# Altium PCB PCB1.PcbDoc (part 2 of 2)
Units mil, origin at the board's own origin, x right, y up, seen from the top; angles counter-clockwise.
Board outline 2465 x 3050 mil, 4 copper layers (Top Layer, Layer 1, Layer 2, Bottom Layer), stack 23.756 mil thick; 167 components, 107 nets, 662 pads, 122 vias.
Unrouted connection lines stored in the file: 6.
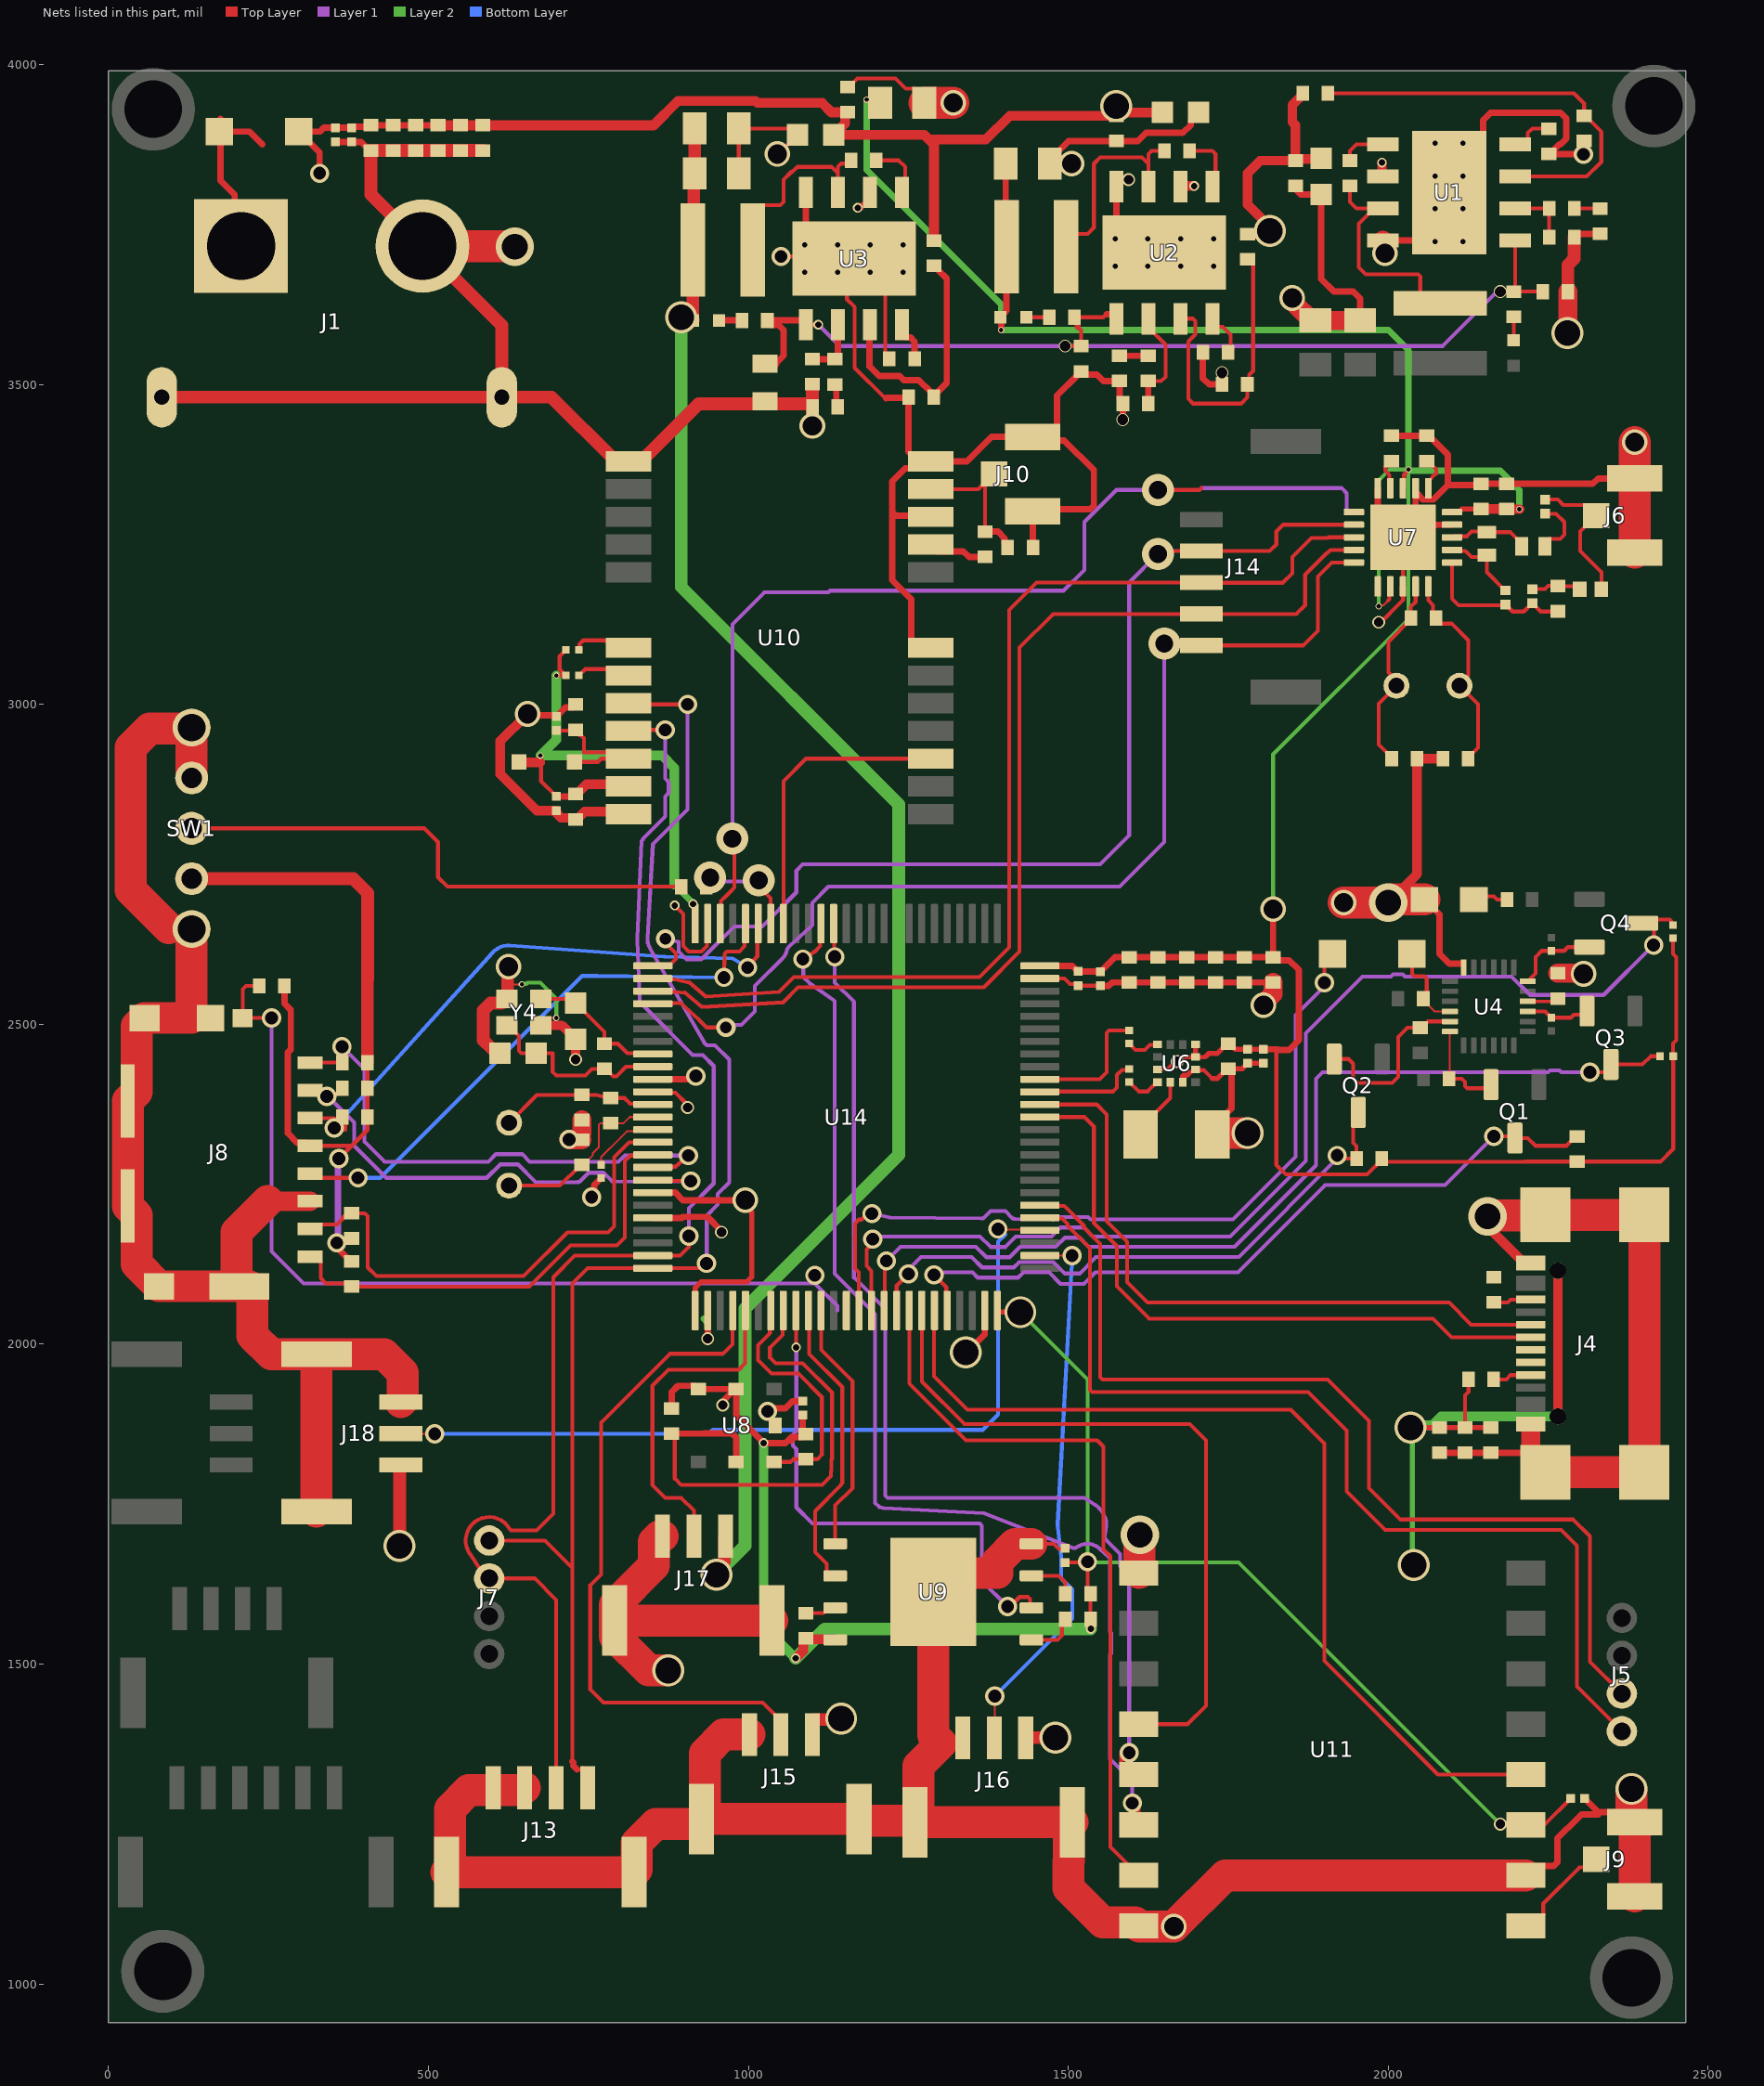
[diagram p4: the nets of this part, all layers, seen from the top]

## Via types
v1: diameter 30, hole 20, Top Layer to Bottom Layer, 43 vias
v2: diameter 40, hole 30, Top Layer to Bottom Layer, 15 vias
v3: diameter 50, hole 40, Top Layer to Bottom Layer, 15 vias
v4: diameter 10, hole 7, Top Layer to Bottom Layer, 13 vias
v5: diameter 15, hole 10, Top Layer to Bottom Layer, 10 vias
v6: diameter 20, hole 15, Top Layer to Bottom Layer, 9 vias
v7: diameter 50, hole 28, Top Layer to Bottom Layer, 6 vias
v8: diameter 60, hole 40, Top Layer to Bottom Layer, 4 vias
v9: diameter 20, hole 17, Top Layer to Bottom Layer, 4 vias
v10: diameter 30, hole 18, Top Layer to Bottom Layer, 2 vias
v11: diameter 40, hole 35, Top Layer to Bottom Layer, 1 vias

## Nets (pads, with @x,y where several pads share a name; then routed paths per layer and width w, separated by ;. In a path a pad name is that pad's centre, name@x,y a point inside that pad or via, vN(x,y) a via of type N, cw(c..) or ccw(c..) an arc to the next point about the centre after c; other vN are vias at no path point) (continued)
+3V3: C8.1 C10.1 C11.1 C15.1 C17.1 C18.1 C19.1 C20.1 C34.1 C36.1 C52.1 C53.1 C54.1 C55.1 C56.1 C57.1 C58.1 C59.1 C64.1 C65.1 D4.1 J8.P4 L2.1 R4.1 R5.1 R6.1 R9.1 R14.1 R15.1 R17.2 R18.1 R19.1 R21.2 R45.1 R46.1 R47.1 R48.1 R49.1 R50.1 R52.1 R53.1 SW1.3 U6.3 U6.9 U6.10 U7.7 U7.15 U7.18 U8.2 U8.3 U9.8 U10.23 U11.3 U14.11 U14.21 U14.27 U14.50 U14.75 U14.100 | length 10309.6
  Top Layer w3: v4(1985,3153.28) 1986.34,3154.62 1992.27,3154.62 1999.46,3161.81
  Top Layer w6: J8.P4@315,2310.08 380.08,2310.08 ; v1(360,2290) 380.08,2310.08 ; R49.1@404.68,2440 R50.1@404.68,2400 R45.1@404.68,2355 404.68,2334.68 380.08,2310.08 ; v4(675,2920) 675.77,2919.23 675.77,2909.23 676,2909 676,2880.02 C19.1@700,2856.02 700.16,2855.87 710,2855.87 ; v4(700,3045) R53.1@714.76,3045 705,3054.76 705,3075.24 R52.1@714.76,3085 ; U14.11@850.64,2394.37 851.81,2393.2 885.92,2393.2 902.32,2376.8 902.32,2372.68 v6(905,2370) ; C17.1@1495,1658.98 1497.25,1656.72 1497.25,1657.34 1498.89,1658.98 1526.71,1658.98 1530,1655.68 1530,1614.68 R18.1@1534.68,1610 R17.2@1534.69,1570 1535,1569.69 v5(1535,1555) ; U6.3@1639.47,2429.16 1640.25,2429.94 1655.1,2429.94 1667.01,2441.85 v6(1670.06,2441.85) ; v6@1670.06,2441.68 1673.68,2441.68 1680.64,2448.64 1713.64,2448.64 1715,2450 ; 1826.89,2460.87 1825,2458.98 1825,2280 1839.81,2265.19 1966.84,2265.19 1989.68,2288.03 R5.1@1989.68,2290 1994.63,2285.06 2213.47,2285.06 2213.73,2285.32 R4.1@2295,2285.32 2425.32,2285.32 2445.24,2305.24 R6.1@2445.24,2450 2445,2450.24 2445,2470 2450,2475 2450,2605 2445,2610 R9.1@2445,2634.76 ; 1999.46,3161.81 2001.75,3164.1 2001.75,3182.66 U7.7@2003.32,3184.23 ; U7.18@2023,3337.77 2024.57,3339.34 2024.57,3359.01 2031.38,3365.82 v4(2031.38,3366.9) ; v6(2175,1250) 2213.63,1250 U11.3@2214.89,1248.74 ; U11.3@2214.89,1250 2245,1250 C18.1@2285,1290 ; R52.1@714.76,3085 715,3085 R52.1@714.76,3085
  Top Layer w8: U14.50@1389.22,2052.64 1389.22,2051.51 1390.73,2050 v3(1425,2050) ; U6.9@1698.75,2449.06 U6.10@1698.75,2465 ; 1715,2450 1719.16,2454.16 1732.5,2454.16 1748.03,2469.68 C10.1@1750,2469.68 1751.97,2469.68 1760.63,2461.02 C11.1@1780,2461.02 C8.1@1805,2461.02 ; U7.15@2099.77,3300.37 2110.6,3300.37 2115.54,3305.31 C64.1@2145,3305.31
  Top Layer w10: R46.1@275,2560 275,2532.43 285,2522.43 285,2460.74 280.31,2456.06 280.31,2329.69 295.08,2314.92 310.16,2314.92 J8.P4@315,2310.08 ; v1@356.72,2155 v1@358.47,2156.75 ; v1(356.72,2158.5) v1@358.47,2156.75 ; R48.1@375,2134.68 373.03,2134.68 360.55,2147.17 360.55,2154.68 v1@358.47,2156.75 ; R47.1@375,2165.32 371.59,2161.91 363.63,2161.91 v1@358.47,2156.75 ; 710,2855.87 726.18,2855.87 C20.1@730,2859.68 ; U14.21@850.64,2197.52 896.35,2197.52 897.88,2199.06 935.94,2199.06 958,2177 v6(958,2175) ; R15.1@880,1899.68 880,1925 890,1935 917,1935 U8.3@922,1930 U8.2@979,1930 ; v5(913.5,2687.98) 914.45,2687.02 914.45,2684.89 916.27,2683.07 916.27,2657.87 U14.100@916.78,2657.36 ; v6(936.46,2008.64) U14.27@936.46,2052.64 ; v6(960,1905) 961.91,1906.91 961.91,1912.91 U8.2@979,1930 ; v5(1023.76,1845.56) 1023.76,1846.24 981,1889 U8.2@981,1930 U8.2@979,1930 ; v5@1024,1846 1024.44,1845.56 1057.77,1845.56 1062.21,1850 ; R14.1@1085,1864.53 C15.1@1085,1888.98 ; R14.1@1090,1859.68 1085.16,1854.84 1071.9,1854.84 ; v4(1185,3945) 1201.01,3945 C34.1@1206.01,3940 ; v4(1395,3585) 1395,3603.84 R21.2@1393.84,3605 1393.84,3605.49 1403.35,3615 L2.1@1403.35,3715 1402.1,3716.25 C36.1@1402.1,3845 ; U14.75@1455.36,2591.22 1506.43,2591.22 C59.1@1515,2582.65 1515.16,2582.5 1549.55,2582.5 C58.1@1550,2582.05 1572.64,2604.68 C57.1@1595,2604.68 C56.1@1640,2604.68 C55.1@1685,2604.68 C54.1@1730,2604.68 C53.1@1775,2604.68 C52.1@1820,2604.68 ; C8.1@1805,2461.02 1805.16,2460.87 1826.89,2460.87 1827.76,2460 1845,2460 1860,2475 1860,2585 1845,2600 1824.69,2600 C52.1@1820,2604.68 ; v2(1820,2680) C52.1@1820,2604.68 ; 1062.21,1850 1067.06,1854.84 1071.9,1854.84 ; 1062.21,1850 1067.06,1850 1071.9,1854.84
  Top Layer w15: D4.1@641.69,2910 642.7,2909 675,2909 ; C20.1@730,2859.68 731.97,2859.68 747.28,2875 809.33,2875 U10.23@812.56,2871.77 ; v5(1073.8,1509.14) 1074.23,1509.14 1085.69,1520.6 1085.69,1537.97 1088.03,1540.32 R19.1@1090,1540.32 1091.16,1539.16 1134.5,1539.16 U9.8@1135.65,1538 ; C64.1@2145,3305.31 C65.1@2185,3305.31 2185.31,3305 v4(2205,3305)
  Top Layer w20: SW1.3@130,2727.52 382.48,2727.52 405,2705 405,2570.98 404.68,2570.67 R49.1@404.68,2440
  Layer 1 w10: v1(356.72,2158.5) 358.36,2160.14 358.36,2288.36 v1(360,2290)
  Layer 2 w6: v3(1425,2050) 1530,1945 1530,1671.09 1531.09,1670 1535,1670 1530,1665 v1(1530,1660) 1531.08,1658.92 1766.08,1658.92 v6(2175,1250) ; v2(1820,2680) 1820,2921.82 2031.38,3133.2 v4(2031.38,3366.9) 2001.9,3366.9 1985,3350 v4(1985,3153.28)
  Layer 2 w10: 884.25,2718.21 913.5,2688.96 v5(913.5,2687.98) ; 930,2040 936.36,2033.64 936.36,2008.74 v6(936.46,2008.64) ; v4(1185,3945) 1185,3835 1395,3625 v4(1395,3585) 2000,3585 2031.38,3553.62 v4(2031.38,3366.9) 2033.28,3365 2175,3365 2205,3335 v4(2205,3305)
  Layer 2 w15: v4(700,3045) 700,2945 v4(675,2920) 865,2920 884.25,2900.75 884.25,2718.21 ; v5(1023.76,1845.56) 1023.76,1559.18 v5(1073.8,1509.14)
  Layer 2 w20: v5(1073.8,1509.14) 1119.66,1555 v5(1535,1555)
+5V: C2.2 C3.2 C4.2 C42.1 C43.1 J4. J15.1 J16.1 J17.1 J18.1 L3.1 R11.1 R12.1 R22.2 | length 3739.9
  Top Layer w6: C2.2@2120,1869.68 2120,1920 2125.32,1925.32 R12.1@2125.32,1945 R12.1@2125,1945.32 ; R11.1@2160.32,2100 R11.1@2165,2104.68
  Top Layer w8: v3(2035,1870) v3(2035,1870) 2049.97,1870.04 2050.15,1869.86 2079.82,1869.86 C3.2@2080,1869.68 C2.2@2120,1869.68 C4.2@2160,1869.68
  Top Layer w15: J4.@2265,1887.22 J4.@2265,2114.78
  Top Layer w20: v3(455,1685) 455,1809.37 456.81,1811.18 J18.1@456.89,1811.18 ; v3(895,3605) 900,3600 R22.2@913.84,3600 ; R22.2@913.35,3605 L3.1@913.35,3710 914.68,3711.33 914.68,3828.67 C42.1@916.01,3830 C43.1@916.01,3900 ; v3(950,1640) 950,1648.12 962.4,1660.52 962.4,1698.19 J17.1@964.21,1700 ; J15.1@1100,1390 1100,1411.65 1101.81,1413.46 1143.46,1413.46 v3(1145,1415) ; J16.1@1433.43,1385 v3(1480,1385)
  Layer 2 w8: v3(2035,1870) 2037.5,1867.5 2037.5,1657.5 v3(2040,1655)
  Layer 2 w15: v3(2035,1870) 2038.59,1873.59 2068.59,1873.59 2082.22,1887.22 J4.@2265,1887.22
  Layer 2 w20: v3(895,3605) 895,3183.44 1235,2843.44 1235,2295.69 995,2055.69 995,1685 v3(950,1640)
+24V: C23.2 C24.2 C25.2 C26.2 C27.2 C28.2 C29.2 C30.2 C37.1 C38.1 C39.1 C40.1 C44.1 C45.1 D3.1 R23.1 R24.1 R28.1 U1.2 U2.2 U3.2 | length 2249.5
  Top Layer w10: v1(330,3830) 330,3862.28 297.48,3894.8 D3.1@297.48,3895 330.47,3895 336.5,3901.02 C23.2@355,3901.02 C24.2@380,3901.02 381.89,3902.91 407.91,3902.91 C25.2@410,3905 C26.2@445,3905 C27.2@480,3905 C28.2@515,3905 C29.2@550,3905 C30.2@585,3905 ; v5(1170.96,3775.96) 1174.5,3775.96 1178.94,3780.39 1184.17,3780.39 1190,3786.22 U3.2@1190,3800
  Top Layer w15: 1282.5,3882.5 1371.15,3882.5 1408.34,3919.69 C39.1@1575,3919.69 v3(1575,3935) ; C39.1@1582.28,3925 C40.1@1646.65,3925 ; U2.2@1675,3809.35 1675.65,3810 v5(1696.67,3810) ; R24.1@1780,3734.69 1780.16,3734.84 1809.84,3734.84 v3(1815,3740) 1815,3746.09 1780,3781.09 1780,3830 1799.68,3849.69 C37.1@1860,3849.69 ; R23.1@1866.32,3955 1866.32,3953.03 1850,3936.72 1850,3910 1855,3905 C37.1@1855,3849.69 1857.34,3852.03 C38.1@1899.68,3852.03 ; v5(1990,3846.67) 1990,3826.65 U1.2@1991.65,3825
  Top Layer w15.75: C28.2@518.63,3905 852.03,3905 889.9,3942.87 1011.1,3942.87 1013.98,3940 1115,3940 1129.68,3925.31 C44.1@1153.03,3925.31 ; C44.1@1158.94,3923.35 1156.97,3925.31 C44.1@1155,3925.31 C44.1@1153.03,3925.31 ; R28.1@1290,3724.69 1290,3875 1282.5,3882.5 1275,3890 C45.1@1133.35,3890 1151.06,3907.72 1151.06,3923.35 C44.1@1153.03,3925.31
BMP_SCL: R15.2 U8.5 U14.33 | length 801.5
  Top Layer w6: R15.2@880,1860.31 885,1855.32 885,1790 895,1780 1115,1780 1129,1794 1129,1801.63 1130,1802.63 1130,1820 1130.81,1820.81 1130.81,1924.19 1085,1970 1042.63,1970 1033.72,1978.91 1033.72,1994.72 1053.4,2014.41 1053.4,2051.46 U14.33@1054.57,2052.64
  Top Layer w10: R15.2@880,1860.31 885,1860.31 930.21,1860.31 930.75,1860.86 974.14,1860.86 981,1854 U8.5@981,1816
BMP_SDA: R14.2 U8.6 U14.32 | length 379.2
  Top Layer w6: U14.32@1034.89,2052.64 1033.72,2051.46 1033.72,2017.35 1015,1998.64 1015,1975 1036,1954 1078.37,1954 1114.81,1917.56 1114.81,1827.44 1107.69,1820.31 R14.2@1090,1820.31 1070.31,1820.31 1066,1816 U8.6@1040,1816
Compass_SCL: R54.1 U14.66 | length 207.3
  Top Layer w6: U14.66@1455.36,2414.06 1549.06,2414.06 1560,2425 1560,2486.72 1563.51,2490.24 R54.1@1595,2490.24
Compass_SDA: R55.1 U14.65 | length 166.2
  Top Layer w6: U14.65@1455.36,2394.37 1455.99,2395 1570,2395 1576.09,2401.09 1576.09,2421.05 1583.71,2428.67 1593.43,2428.67 R55.1@1595,2430.24
CS_1V8: D2.2 R8.2 U4.22 | length 141.9
  Top Layer w3: R8.2@2054.69,2540 2054.69,2538.03 2072.59,2520.13 U4.22@2096.17,2520.13
  Top Layer w6: D2.2@2037.01,2610 2037.01,2578.51 2040.52,2575 2056.49,2575 2060,2571.49 2060,2545.32 R8.2@2054.69,2540
Flash_CLK: U9.6 U14.35 | length 471.8
  Top Layer w6: U14.35@1093.94,2052.64 1095.12,2051.46 1095.12,1984.88 1146.81,1933.19 1146.81,1814.19 1146.77,1814.15 1146.77,1783.26 1145,1781.49 1145,1780 1104.15,1739.15 1104.15,1675.22 1122.31,1657.06 1122.31,1643.66 1127.98,1638 U9.6@1135.65,1638
Flash_MISO: U9.2 U14.34 | length 814.5
  Top Layer w6: U14.34@1074.26,2052.64 1074.44,2052.46 1074.44,1995.18 v5(1074.62,1995) ; v1(1405,1590) 1408.94,1590 1423.94,1605 1436.49,1605 1440,1601.49 1440,1590.35 U9.2@1442.35,1588
  Layer 1 w6: v5(1074.62,1995) 1075,1994.62 1075,1863.99 1069.5,1858.49 1069.5,1841.51 1075,1836.01 1075,1745 1100,1720 1361.49,1720 1365,1716.49 1365,1630 v1(1405,1590)
Flash_MOSI: U9.5 U14.36 | length 396.3
  Top Layer w6: U14.36@1113.63,2052.64 1113.63,1991.37 1162.81,1942.19 1162.81,1775.18 1135.65,1748.03 U9.5@1135.65,1688
GND: C1.2 C2.1 C3.1 C4.1 C5.2 C6.2 C8.2 C9.2 C10.2 C11.2 C12.1 C13.1 C14.2 C15.2 C16.1 C17.2 C18.2 C19.2 C20.2 C21.2 C22.2 C23.1 C24.1 C25.1 C26.1 C27.1 C28.1 C29.1 C30.1 C32.2 C34.2 C35.2 C36.2 C37.2 C38.2 C39.2 C40.2 C41.2 C42.2 C43.2 C44.2 C45.2 C46.2 C47.2 C48.2 C49.2 C51.2 C52.2 C53.2 C54.2 C55.2 C56.2 C57.2 C58.2 C59.2 C60.1 C61.1 C64.2 C65.2 D1.1 J1.2 J1.SH1 J1.SH2 J4.A1/B12 J4.B1/A12 J4.S1 J4.S2 J4.S3 J4.S4 J6.G1 J6.G2 J8.G1 J8.G2 J8.G3 J8.G4 J8.P6 J8.SH1 J8.SH2 J9.G1 J9.G2 J10.2 J10.3 J13.3 J13.4 J13.S1 J13.S2 J15.3 J15.S1 J15.S2 J16.3 J16.S1 J16.S2 J17.3 J17.S1 J17.S2 J18.3 J18.S1 J18.S2 R16.1 R29.2 R30.2 R31.2 R32.2 R33.2 R36.2 R38.2 R39.2 R40.2 R42.1 SW1.1 SW1.4 SW1.5 U1.4 U1.9 U2.4 U2.9 U3.4 U3.9 U4.18 U6.6 U6.8 U7.8 U7.14 U7.17 U7.20 U7.21 U8.7 U9.4 U9.9 U10.7 U10.10 U10.12 U10.13 U10.24 U11.2 U11.9 U11.16 U14.10 U14.19 U14.26 U14.49 U14.74 U14.99 Y4.2 Y4.4 | length 17583.9
  Top Layer w3: C25.1@408.03,3865.63 C25.1@410,3865.63 ; 623.71,2564.83 626.12,2562.42 v4(646.15,2562.42) ; Y4.2@675.57,2498.33 687.17,2509.92 v4(699.84,2509.92)
  Top Layer w6: v5(884.95,2685.69) 898.27,2672.37 898.27,2622.08 906.69,2613.65 926.87,2613.65 935.29,2622.08 935.29,2656.19 U14.99@936.46,2657.36 ; C42.2@985,3830 C43.2@985,3900 1066.65,3900 C45.2@1076.65,3890 1046.65,3860 v2(1045,3860) ; v1(1050.94,3700) 1071.54,3700 1085.85,3685.69 U3.9@1154.04,3685.69 ; C44.2@1155,3964.69 1156.97,3964.69 1170.28,3978 1230.09,3978 1246.09,3962 1259.3,3962 1275,3946.3 C34.2@1275,3940 ; 1215,3478.19 1213.8,3478.19 1166.17,3525.82 1166.17,3620.95 1154.04,3633.09 U3.9@1154.04,3685.69 ; R31.2@1220.31,3540 1213.83,3546.49 1213.83,3647.83 U3.9@1165,3696.65 U3.9@1154.04,3685.69 ; U9.4@1442.35,1688 1477,1688 1485,1680 1493.98,1680 C17.2@1495,1681.02 ; U14.74@1455.36,2571.54 1493.95,2571.54 1502.73,2562.76 1512.84,2562.76 C59.2@1515,2560.61 1515.3,2560.3 C58.2@1549.7,2560.3 ; U6.8@1698.53,2429.16 1699.31,2428.38 1711.62,2428.38 1725,2415 ; v6(1985,3128.28) 1988.56,3128.28 2017.75,3157.47 2017.75,3157.75 2023,3163 U7.8@2023,3170.85 ; U7.8@2023,3184.23 U7.21@2023,3261
  Top Layer w8: U14.26@916.78,2052.64 916.95,2052.81 916.95,2088.34 925.97,2097.35 997.35,2097.35 1005,2105 1005,2206.34 995,2216.34 v2(995,2225) ; U6.6@1678.84,2409.47 1678.84,2418.84 1680,2420 1685.31,2420 1689.07,2423.76 1689.07,2424.07 1690,2425 ; 1725,2415 1732.72,2415 1748.03,2430.32 C10.2@1750,2430.32 ; C10.2@1750.16,2430.32 1771.34,2430.32 C11.2@1780,2438.98 C8.2@1805,2438.98
  Top Layer w10: C23.1@355,3878.98 C24.1@380,3878.98 394.69,3878.98 C25.1@408.03,3865.63 ; v2(655,2985) 657.09,2982.91 698.11,2982.91 C21.2@700,2981.02 714.36,2995.39 725.7,2995.39 C22.2@730,2999.68 ; v1(755,2230) 758.83,2233.83 758.83,2248.59 R42.1@770,2259.76 ; U14.19@850.64,2236.89 885.68,2236.89 897.57,2225 v2(995,2225) ; U14.10@850.64,2414.06 907.44,2414.06 912.44,2419.06 v1(917.85,2419.06) ; v1(1030,1895) v1@1032.5,1897.5 ; v1@1030,1900 v1@1032.5,1897.5 ; U8.7@1042,1873 1042,1875 1033.83,1883.17 1033.83,1896.17 v1@1032.5,1897.5 ; C15.2@1085,1911.02 1083.27,1911.02 1083.11,1910.87 1068.93,1910.87 1058.07,1900 1035,1900 v1@1032.5,1897.5 ; U3.4@1090,3800 1090,3749.72 1143.07,3696.65 U3.9@1165,3696.65 ; 1215,3478.19 1215.91,3479.09 1249.41,3479.09 R36.2@1250.31,3480 1250.31,3394.65 1265.32,3379.65 U10.12@1285,3379.65 ; U10.7@1285,3088.31 1265.32,3088.31 1254.57,3099.06 1254.57,3164.46 1225,3194.02 1225,3300.86 ; U10.10@1285,3293.03 1283.03,3295 1230.86,3295 1225,3300.86 ; v3(1340.01,1987.38) 1341.22,1987.38 1369.54,2015.7 U14.49@1369.54,2052.64 ; C1.2@1444.68,3245 1444.68,3301.24 J10.2@1444,3301.93 1447.07,3305 1534.14,3305 1540,3310.86 1540,3365.92 1493.52,3412.4 1449.67,3412.4 J10.3@1444,3418.07 ; C36.2@1471.09,3845 v2(1505,3845) ; C36.2@1479.9,3860.1 1500.11,3880.31 C39.2@1575,3880.31 1608.78,3880.31 1621.73,3893.27 1679.02,3893.27 1691.61,3905.86 1691.61,3913.27 C40.2@1703.35,3925 ; C58.2@1549.7,2560.16 1549.84,2560.16 C58.2@1550,2560 1550.16,2560.16 1563.1,2560.16 1568.26,2565.32 C57.2@1595,2565.32 C56.2@1640,2565.32 C55.2@1685,2565.32 C54.2@1730,2565.32 C53.2@1775,2565.32 C52.2@1820,2565.32 ; U2.4@1575,3809.35 1575,3759.07 1628.07,3706 U2.9@1650,3706 ; U2.4@1575,3815 1580,3820 v6(1594.17,3820) ; v9(1585,3445) 1585.16,3445.16 1585.16,3469.84 C46.2@1585.32,3470 1585.32,3471.97 1580,3477.28 C49.2@1580,3505.31 1579.69,3505 1555,3505 1544.53,3515.47 1524.84,3515.47 R39.2@1520,3520.31 1518.03,3520.31 1513.19,3515.47 1513.19,3513.5 1482.31,3482.62 1482.31,3433.74 1466.64,3418.07 J10.3@1444,3418.07 ; R30.2@1710.31,3550 1710.31,3509.69 1720,3500 R33.2@1740,3500 ; C12.1@1724.94,2328 1724.94,2338.63 1755,2368.69 1755,2425.47 1750.16,2430.32 C10.2@1750,2430.32 ; v9(1740.16,3518.19) 1740.24,3518.11 1740.24,3500.08 R33.2@1740.31,3500 ; C37.2@1855,3810.31 1855,3805 1863.35,3796.65 C38.2@1895,3796.65 1895,3665 1915,3645 1945,3645 1956,3634 C35.2@1956,3600 ; U7.20@1983.63,3337.77 1983.63,3300.37 U7.21@2023,3261 U7.21@2042,3280 ; U1.4@1995,3725 2041.93,3725 2095,3778.07 U1.9@2095,3800 2148.07,3853.07 2148.07,3913.07 2159.53,3924.53 2269.02,3924.53 2277.81,3915.74 2277.81,3883.63 ; C14.2@2005,3419.69 R16.1@2060,3419.69 2064.84,3414.84 2068.34,3414.84 2093,3390.18 2093,3342.95 ; U7.8@2022.57,3170.85 2022.57,3172.57 2023,3173 U7.8@2023,3184.23 ; U7.17@2042.68,3337.77 2042.68,3280.69 U7.21@2042,3280 ; U7.17@2043.12,3331.57 2054.91,3319.77 2069.83,3319.77 2093,3342.95 ; D1.1@2073.19,2678.35 2080,2671.54 2080,2610 2095,2595 U4.18@2114.05,2595 ; C3.1@2080,1830.32 C2.1@2120,1830.32 C4.1@2160,1830.32 2214.82,1830.32 2222.68,1822.46 J4.S1@2245.32,1799.82 ; U7.14@2099.77,3280.69 2075.68,3280.69 2075,3280 U7.21@2042,3280 ; U11.2@2214.89,1170 2229.57,1184.69 2258.7,1184.69 2264.56,1190.54 2264.56,1227.83 2295.87,1259.14 2301.72,1265 2328.31,1265 ; R29.2@2251,3860.31 R29.2@2252.97,3860.31 ; 2277,3882.81 2269.02,3874.84 2267.5,3874.84 R29.2@2252.97,3860.31 ; C41.2@2295.53,3735.31 C47.2@2331,3735.31 ; v1@2304.69,3860.31 2305.41,3861.04 2305.41,3879.72 R32.2@2306,3880.31 ; v1(2304.81,3859.41) 2304.36,3859.86 2253.42,3859.86 R29.2@2252.97,3860.31 ; C18.2@2307.05,1290 2328.31,1268.74 J9.G1@2369.33,1268.74 ; J6.G1@2385,3353.07 2328.07,3353.07 2319.68,3344.69 C65.2@2185,3344.69 C64.2@2145,3344.69 2143.26,3342.95 2093,3342.95 ; 1225,3300.86 1225,3348.73 1245.16,3368.9 1274.25,3368.9 U10.12@1285,3379.65 ; U10.12@1285,3379.65 1341.35,3379.65 1379.78,3418.07 J10.3@1444,3418.07
  Top Layer w15: v2(655,2985) 612.38,2942.38 612.38,2890.94 669.35,2833.98 C19.2@700,2833.98 ; Y4.2@675.57,2498.33 708.32,2498.33 C5.2@730,2476.65 v6(730,2445) ; C19.2@700,2830 707.34,2822.66 727.66,2822.66 C20.2@730,2820.32 731.97,2820.32 744,2832.34 808.68,2832.34 U10.24@812.56,2828.46 ; v8(2000,2690) 2044.68,2734.68 C16.1@2044.68,2915 C13.1@2085.32,2915 ; v8(2155,2200) 2163.61,2191.39 2163.61,2175.22 2211.85,2126.98 J4.B1/A12@2222.68,2126.98
  Top Layer w20: J1.SH1@83.25,3480 J1.SH2@614.75,3480 ; C30.1@585,3865.63 C29.1@550,3865.63 C28.1@515,3865.63 C27.1@480,3865.63 C26.1@445,3865.63 C25.1@410,3865.63 410,3796.95 J1.2@490.73,3716.22 491.34,3715.61 614.75,3592.2 J1.SH2@614.75,3480 ; C6.2@611.65,2455 604.92,2461.73 599.24,2461.73 585.69,2475.28 585.69,2521.38 597.41,2533.09 613.88,2533.09 615.69,2534.91 Y4.4@616.27,2534.91 ; Y4.4@616.27,2533.51 Y4.4@622.43,2539.67 623.71,2540.96 623.71,2564.83 623.71,2588.71 v2(625,2590) ; v8@634.39,3715.61 v8(635,3715) ; C51.2@1095.81,3469.5 922.1,3469.5 832.24,3379.65 U10.13@812.56,3379.65 792.87,3379.65 692.52,3480 J1.SH2@614.75,3480 ; v2(1100,3435) 1100.16,3435.16 1100.16,3464.84 C51.2@1100.32,3465 1100.16,3465.16 1100.16,3467.13 1100,3467.28 C48.2@1100,3500.31 ; 1301.34,1376.54 1333.19,1376.54 1335,1378.35 J16.3@1335,1385 ; R38.2@2280.69,3645 2280.69,3686.81 2290.53,3696.65 2290.53,3729.84 C41.2@2290.68,3730
  Top Layer w30: 248.46,2223.46 J8.P6@315,2223.46 ; v1(720,2320) 720.32,2319.68 C61.1@740,2319.68 ; 740,2330 C60.1@740,2350.32 ; v2(1805,2530) 1805,2532.71 1820,2547.71 C52.2@1820,2565.32 ; v2(1850,3635) 1851.91,3633.09 1851.91,3627.79 1879.7,3600 C32.2@1886,3600 C35.2@1956,3600 ; U1.4@1991.65,3725 1993.33,3723.33 1993.33,3706.67 v2(1995,3705) ; J4.S1@2222.68,1822.46 J4.A1/B12@2222.68,1865 ; C9.2@2265,2579.68 2304.1,2579.68 v2(2305,2578.79) ; v3(2280,3580) 2280,3588.55 2280.69,3589.24 R38.2@2280.69,3645
  Top Layer w50: 94.43,2650.57 35,2710 35,2932.66 64.29,2961.95 128.21,2961.95 SW1.4@130,2963.74 SW1.1@130,2885 ; SW1.5@130,2648.78 130,2510 129.88,2509.88 J8.G2@56.73,2509.88 44.33,2497.48 44.33,2394.53 J8.SH2@30.16,2380.35 J8.SH1@30.16,2215.79 44.33,2201.61 44.33,2125.43 J8.G3@79.17,2090.59 J8.G4@204.33,2090.59 ; 248.46,2223.46 200,2175 200,2094.92 J8.G4@204.33,2090.59 ; J18.S2@325,1738.35 J18.S1@325,1984.41 ; J18.3@456.89,1909.61 460,1912.72 460,1955 430.59,1984.41 J18.S1@325,1984.41 ; J1.2@491.34,3715.61 v8@634.39,3715.61 ; J13.3@650.39,1306.89 646.45,1302.95 562.95,1302.95 533.66,1273.66 533.66,1180.31 J13.S1@528.35,1175 J13.S2@821.65,1175 825.71,1179.06 825.71,1220.71 855,1250 921.46,1250 926.77,1255.31 J15.S1@926.77,1258.11 ; J17.3@865.79,1700 861.06,1700 852.6,1691.54 852.6,1654.53 790.98,1592.91 J17.S1@790.98,1568.11 ; v3(875,1490) 844.29,1490 790.98,1543.31 J17.S1@790.98,1568.11 ; J15.3@1001.57,1390 961.38,1390 932.09,1360.71 932.09,1263.43 J15.S1@926.77,1258.11 ; J17.S2@1037.05,1568.11 J17.S1@790.98,1568.11 ; C34.2@1275,3940 v2(1320,3940) ; U9.4@1442.35,1688 1416.95,1688 1388.84,1659.89 1388.84,1642.29 1318.29,1642.29 U9.9@1289,1613 1289,1388.87 1301.34,1376.54 1265.51,1340.71 1265.51,1258.43 J16.S1@1260.2,1253.11 ; U11.16@1604.77,1096.57 1553.43,1096.57 1500,1150 1500,1191.42 1500.94,1192.37 1500.94,1247.8 J16.S2@1506.26,1253.11 J16.S1@1260.2,1253.11 ; U11.16@1607.56,1092.41 U11.16@1607.56,1092.49 ; U11.16@1610,1091.26 1611.26,1090 v2(1665,1090) 1745,1170 U11.2@2214.89,1170 ; U11.9@1610,1642.44 1611,1643.44 1611,1700.92 v8(1612,1701.92) ; C12.1@1724.94,2328 1726.91,2330 v3(1780,2330) ; v2(1930,2690) v8(2000,2690) 2002.71,2690 2007.71,2695 D1.1@2056.54,2695 ; v8(2155,2200) 2156.09,2201.09 2244.22,2201.09 J4.S2@2245.32,2202.18 J4.S4@2400.04,2202.18 J4.S3@2400.04,1799.82 J4.S1@2245.32,1799.82 ; J9.G1@2380,1257.4 v3(2380,1305) ; J9.G2@2385,1136.93 J9.G1@2385,1253.07 ; J6.G2@2385,3236.93 J6.G1@2385,3353.07 v2(2385,3410) ; J8.G4@204.33,2090.59 J8.G4@204.57,2090.59 220.67,2090.59 225,2086.26 225,2013.7 254.29,1984.41 J18.S1@325,1984.41 ; J15.S1@926.77,1258.11 J15.S2@1172.83,1258.11 1175.33,1255.61 1257.7,1255.61 J16.S1@1260.2,1253.11